# Allegro board RK3588S_Template_LP5D315P232SD10H2_42x42_2750MHz_1R2_V10_20220413YWQ.brd (continued)
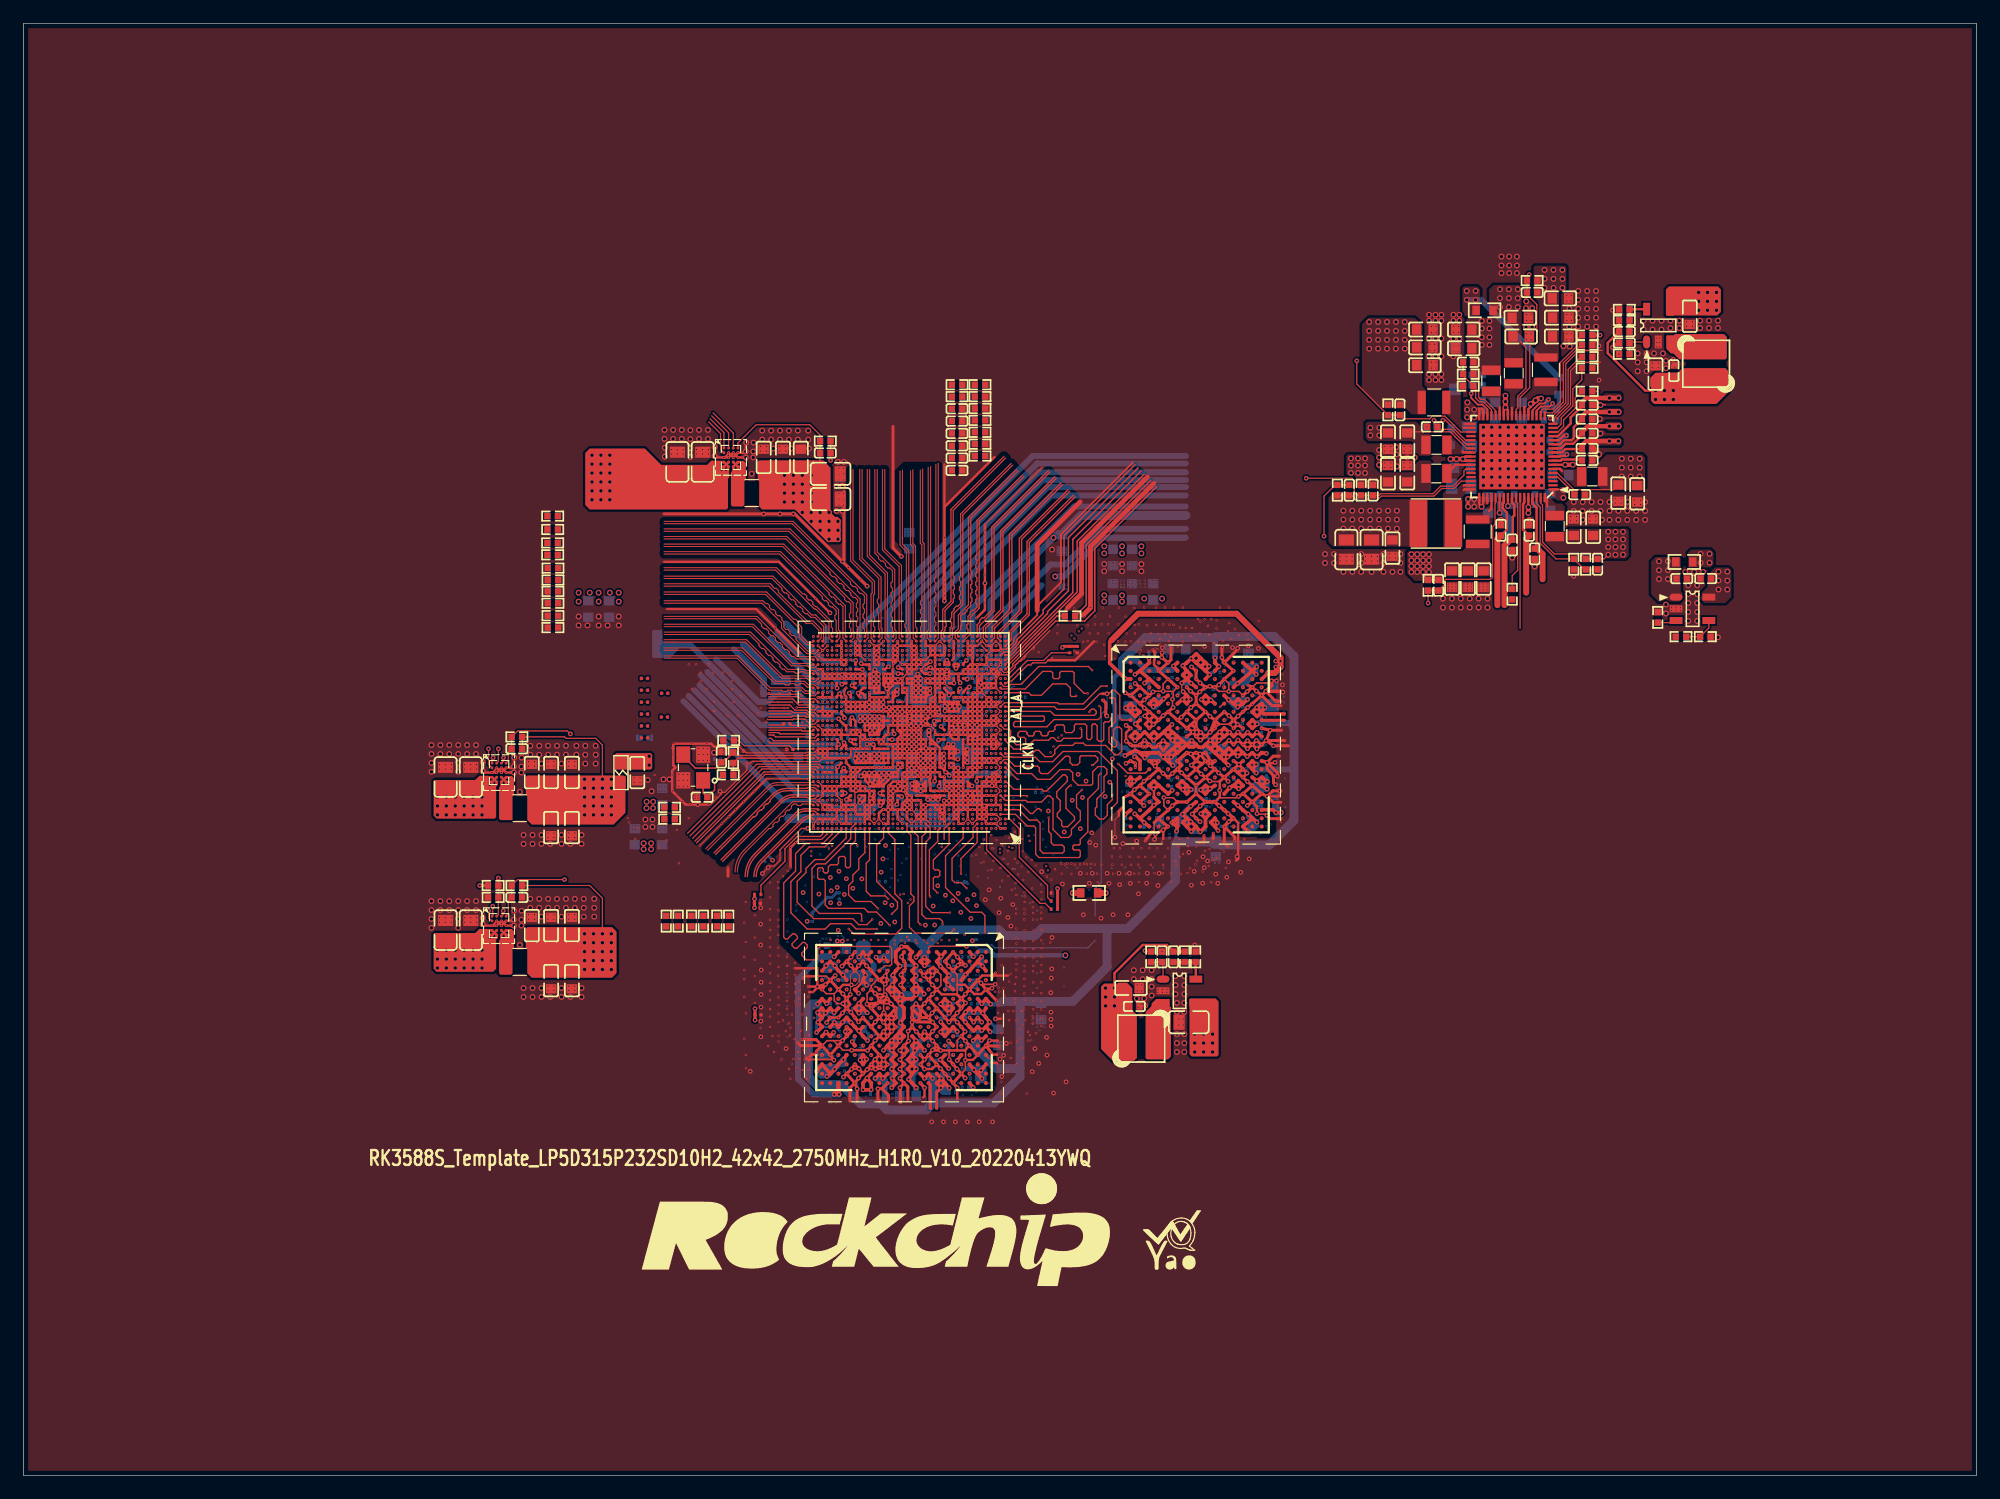
[diagram p0: board, top side]
## Nets (continued)
MIPI_CPHY0_RX_TRIO0_B: U1000.BA38(MIPI_DPHY0_RX_D0P/MIPI_CPHY0_RX)
MIPI_CPHY0_RX_TRIO0_C: U1000.AY40(MIPI_DPHY0_RX_D1N/MIPI_CPHY0_RX)
MIPI_CPHY0_RX_TRIO1_A: U1000.BA40(MIPI_DPHY0_RX_D1P/MIPI_CPHY0_RX)
MIPI_CPHY0_RX_TRIO1_B: U1000.BA41(MIPI_DPHY0_RX_CLKN/MIPI_CPHY0_R)
MIPI_CPHY0_RX_TRIO1_C: U1000.BB41(MIPI_DPHY0_RX_CLKP/MIPI_CPHY0_R)
MIPI_CPHY0_RX_TRIO2_A: U1000.BA42(MIPI_DPHY0_RX_D2N/MIPI_CPHY0_RX)
MIPI_CPHY0_RX_TRIO2_B: U1000.AY42(MIPI_DPHY0_RX_D2P/MIPI_CPHY0_RX)
MIPI_CPHY0_RX_TRIO2_C: U1000.AW42(MIPI_DPHY0_RX_D3N/MIPI_CPHY0_RX)
MIPI_CPHY0_TX_TRIO0_A: U1000.BA31(MIPI_DPHY0_TX_D0N/MIPI_CPHY0_TX)
MIPI_CPHY0_TX_TRIO0_B: U1000.BB31(MIPI_DPHY0_TX_D0P/MIPI_CPHY0_TX)
MIPI_CPHY0_TX_TRIO0_C: U1000.BB32(MIPI_DPHY0_TX_D1N/MIPI_CPHY0_TX)
MIPI_CPHY0_TX_TRIO1_A: U1000.BA32(MIPI_DPHY0_TX_D1P/MIPI_CPHY0_TX)
MIPI_CPHY0_TX_TRIO1_B: U1000.BA34(MIPI_DPHY0_TX_CLKN/MIPI_CPHY0_T)
MIPI_CPHY0_TX_TRIO1_C: U1000.BB34(MIPI_DPHY0_TX_CLKP/MIPI_CPHY0_T)
MIPI_CPHY0_TX_TRIO2_A: U1000.BB35(MIPI_DPHY0_TX_D2N/MIPI_CPHY0_TX)
MIPI_CPHY0_TX_TRIO2_B: U1000.BA35(MIPI_DPHY0_TX_D2P/MIPI_CPHY0_TX)
MIPI_CPHY0_TX_TRIO2_C: U1000.BA37(MIPI_DPHY0_TX_D3N/MIPI_CPHY0_TX)
MIPI_CPHY1_RX_TRIO0_A: U1000.BB23(MIPI_DPHY1_RX_D0N/MIPI_CPHY1_RX)
MIPI_CPHY1_RX_TRIO0_B: U1000.BA23(MIPI_DPHY1_RX_D0P/MIPI_CPHY1_RX)
MIPI_CPHY1_RX_TRIO0_C: U1000.BA25(MIPI_DPHY1_RX_D1N/MIPI_CPHY1_RX)
MIPI_CPHY1_RX_TRIO1_A: U1000.BB25(MIPI_DPHY1_RX_D1P/MIPI_CPHY1_RX)
MIPI_CPHY1_RX_TRIO1_B: U1000.BB26(MIPI_DPHY1_RX_CLKN/MIPI_CPHY1_R)
MIPI_CPHY1_RX_TRIO1_C: U1000.BA26(MIPI_DPHY1_RX_CLKP/MIPI_CPHY1_R)
MIPI_CPHY1_RX_TRIO2_A: U1000.BA28(MIPI_DPHY1_RX_D2N/MIPI_CPHY1_RX)
MIPI_CPHY1_RX_TRIO2_B: U1000.BB28(MIPI_DPHY1_RX_D2P/MIPI_CPHY1_RX)
MIPI_CPHY1_RX_TRIO2_C: U1000.BB29(MIPI_DPHY1_RX_D3N/MIPI_CPHY1_RX)
MIPI_CSI0_RX_CLK0N: U1000.AN41(MIPI_CSI0_CLK0N)
MIPI_CSI0_RX_CLK0P: U1000.AN42(MIPI_CSI0_CLK0P)
MIPI_CSI0_RX_CLK1N: U1000.AU42(MIPI_CSI0_CLK1N)
MIPI_CSI0_RX_CLK1P: U1000.AU41(MIPI_CSI0_CLK1P)
MIPI_CSI0_RX_D0N: U1000.AL41(MIPI_CSI0_D0N)
MIPI_CSI0_RX_D0P: U1000.AL42(MIPI_CSI0_D0P)
MIPI_CSI0_RX_D1N: U1000.AK42(MIPI_CSI0_D1N)
MIPI_CSI0_RX_D1P: U1000.AK41(MIPI_CSI0_D1P)
MIPI_CSI0_RX_D2N: U1000.AT42(MIPI_CSI0_D2N)
MIPI_CSI0_RX_D2P: U1000.AT41(MIPI_CSI0_D2P)
MIPI_CSI0_RX_D3N: U1000.AP41(MIPI_CSI0_D3N)
MIPI_CSI0_RX_D3P: U1000.AP42(MIPI_CSI0_D3P)
MIPI_D/C_PHY0_VREG: C1604.1 U1000.AT33(MIPI_D/C_PHY0_VREG)
MIPI_D/C_PHY1_VREG: C1612.1 U1000.AT27(MIPI_D/C_PHY1_VREG)
MIPI_DPHY0_RX_D3P: U1000.AW41(MIPI_DPHY0_RX_D3P/NO_USE)
MIPI_DPHY0_TX_D3P: U1000.BB37(MIPI_DPHY0_TX_D3P/NO_USE)
MIPI_DPHY1_RX_D3P: U1000.BA29(MIPI_DPHY1_RX_D3P/NO_USE)
MIPI_DPHY1_TX_CLKN: U1000.BA19(MIPI_DPHY1_TX_CLKN/MIPI_CPHY1_T)
MIPI_DPHY1_TX_CLKP: U1000.BB19(MIPI_DPHY1_TX_CLKP/MIPI_CPHY1_T)
MIPI_DPHY1_TX_D0N: U1000.BA16(MIPI_DPHY1_TX_D0N/MIPI_CPHY1_TX)
MIPI_DPHY1_TX_D0P: U1000.BB16(MIPI_DPHY1_TX_D0P/MIPI_CPHY1_TX)
MIPI_DPHY1_TX_D1N: U1000.BB17(MIPI_DPHY1_TX_D1N/MIPI_CPHY1_TX)
MIPI_DPHY1_TX_D1P: U1000.BA17(MIPI_DPHY1_TX_D1P/MIPI_CPHY1_TX)
MIPI_DPHY1_TX_D2N: U1000.BB20(MIPI_DPHY1_TX_D2N/MIPI_CPHY1_TX)
MIPI_DPHY1_TX_D2P: U1000.BA20(MIPI_DPHY1_TX_D2P/MIPI_CPHY1_TX)
MIPI_DPHY1_TX_D3N: U1000.BA22(MIPI_DPHY1_TX_D3N/MIPI_CPHY1_TX)
MIPI_DPHY1_TX_D3P: U1000.BB22(MIPI_DPHY1_TX_D3P/NO_USE)
MIPI_MCLK_SL: U1000.AV39(GPIO3_B1_D)
MIPI_TE0: U1000.AV40(GPIO3_C2_D)
OTG0_REXT: R1404.1 U1000.AU7(TYPEC0_USB20_OTG0_REXT)
PCIE20_0_REFCLKN: U1000.K41(PCIE20_0_REFCLKN)
PCIE20_0_REFCLKP: U1000.L42(PCIE20_0_REFCLKP)
PCIE20_0_RXN: U1000.J41(PCIE20_0_RXN/SATA30_0_RXN)
PCIE20_0_RXP: U1000.J42(PCIE20_0_RXP/SATA30_0_RXP)
PCIE20_0_TXN: U1000.H42(PCIE20_0_TXN/SATA30_0_TXN)
PCIE20_0_TXP: U1000.H41(PCIE20_0_TXP/SATA30_0_TXP)
PCIE20_2_REFCLKN: U1000.F42(PCIE20_2_REFCLKN)
PCIE20_2_REFCLKP: U1000.F41(PCIE20_2_REFCLKP)
PCIE20X1_2_CLKREQN_M0: U1000.AU30(GPIO3_C7_U)
PCIE20X1_2_PERSTN_M0: U1000.AY27(GPIO3_D1_D)
PCIE20X1_2_WAKEN_M0: R1930.2
PCIE20X1_2_WAKEN_M0/PWM8_M2: R1930.1 R1931.1 U1000.AW31(GPIO3_D0_U)
PDM0_CLK0_M0: U1000.M41(GPIO1_C6_D)
PDM0_CLK1_M0: U1000.U35(GPIO1_C4_D)
PDM0_SDI0: U1000.P38(GPIO1_D5_D)
PDM0_SDI2_M0: U1000.P40(GPIO1_D2_D)
PHONE_CTL: U1000.AW19(GPIO4_A4_D)
PMIC_EXT_EN_OUT: R2305.1 U2200.39((M\/S)EXT_EN)
PMIC_FB6: C2216.2 R2218.2 R2227.1 U2200.31(FB6)
PMIC_FB9: C2229.2 R2236.2 R2241.1 U2200.66(FB9)
PMIC_INT_L: R2261.2 U1000.W42(GPIO0_A7_U) U2200.19(INT)
PMIC_PWR_CTRL2: R2242.2 U2200.61(PWRCTRL2)
PMIC_PWR_CTRL3: R2290.2 U2200.16((PWRCTRL3)SO)
PMIC_RESET_L: C1110.1 C2262.1 R1104.1 R2263.2 U1000.V42(NPOR) U2200.40(RESETB)
PMIC_SPI_CLK: R1115.2 U2200.17((SCL)CLK)
PMIC_SPI_CS: R2258.1 U1000.W40(GPIO0_B1_Z) U2200.18((IIC/S\P\I\)CS)
PMIC_SPI_MOSI: R1116.2 U1000.Y38(GPIO0_B3_Z) U2200.15((SDA)MOSI)
PMIC_SW1: L2201.1 U2200.50(SW1_1) U2200.51(SW1_2)
PMIC_SW2: L2203.1 U2200.35(SW2_1) U2200.36(SW2_2)
PMIC_SW3: L2205.1 U2200.55(SW3)
PMIC_SW4: L2207.1 U2200.23(SW4)
PMIC_SW5: L2200.2 U2200.45(SW5)
PMIC_SW6: L2202.2 U2200.29(SW6)
PMIC_SW7: L2209.1 U2200.42(SW7)
PMIC_SW8: L2206.2 U2200.6(SW8)
PMIC_SW9: L2204.2 U2200.68(SW9)
PMIC_SW10: L2208.2 U2200.26(SW10)
PMIC_VDC: C2260.1 D2600.2(CATHODE) R2264.2 R2265.2 U2200.32(VDC)
PWM8_M2: R1931.2
PWRON_L: C2261.1 U2200.4(PWRON)
RK803_EN1_FLOOD: U1000.AW26(GPIO4_A7_D)
RK803_EN2_PRO: U1000.AV23(GPIO4_B3_U)
RTC_32K_IN: U1000.AD38(GPIO0_B2_U)
RTC_INT_L: U1000.AC37(GPIO0_B0_Z)
SARADC_VIN0_BOOT: C1500.1 R1501.2 R1502.1 U1000.AW15(SARADC_IN0_BOOT)
SARADC_VIN1_KEY/RECOVERY: C1501.1 R1500.1 U1000.AY13(SARADC_IN1)
SARADC_VIN3_HP_HOOK: C1503.1 U1000.AV13(SARADC_IN3)
SARADC_VIN4_BATT_TC_L: C1504.1 R1506.2 R1508.1 U1000.AY15(SARADC_IN4)
SARADC_VIN5: C1505.1 R1520.1 R1521.1 U1000.AW13(SARADC_IN5)
SARADC_VIN5_HW_ID: R1505.2 R1507.1 R1520.2
SD_CLK: R1320.1 U1000.AR1(GPIO4_D5_D)
SDIO_CLK_M1: R1918.1 U1000.AV38(GPIO3_A5_D)
SDIO_CLK_M1_WIFI: R1918.2
SDIO_CMD_M1_WIFI: U1000.AT39(GPIO3_A4_D)
SDIO_D0_M1_WIFI: U1000.AR38(GPIO3_A0_U)
SDIO_D1_M1_WIFI: U1000.AR37(GPIO3_A1_U)
SDIO_D2_M1_WIFI: U1000.AT38(GPIO3_A2_U)
SDIO_D3_M1_WIFI: U1000.AT40(GPIO3_A3_U)
SDMMC_CLK: R1320.2
SDMMC_CMD: U1000.AU1(GPIO4_D4_U)
SDMMC_D0: U1000.AV2(GPIO4_D0_U)
SDMMC_D1: U1000.AR2(GPIO4_D1_U)
SDMMC_D2: U1000.AV1(GPIO4_D2_U)
SDMMC_D3: U1000.AT1(GPIO4_D3_U)
SDMMC_DET_L: U1000.AC38(GPIO0_A4_U)
SDMMC_PWREN: U1000.AV27(GPIO4_B4_U)
SL_PWREN: U1000.AW39(GPIO3_C3_D)
SLEEP1_RESET1_DEVOFF1_VSEL1: U1000.W41(GPIO0_A2_D) U2200.62(PWRCTRL1)
SPI2_CLK_M2: R1115.1 U1000.Y39(GPIO0_A5_D)
SPI2_MOSI_M2: R1116.1 U1000.W39(GPIO0_A6_Z)
SPI4_MISO_M2_TP: U1000.G40(GPIO1_A0_D)
SPI4_MOSI_M2_TP: U1000.L40(GPIO1_A1_D)
SPK_CTL_H: U1000.AU15(GPIO4_A5_D)
TP_INT_L: U1000.D40(GPIO1_B5_U)
TP_RST_L: U1000.M39(GPIO1_B4_U)
TSADC_SHUT: R1104.2 U1000.AC39(GPIO0_A1_Z)
TYPEC0_DP0_REXT: R1400.1 U1000.AW11(TYPEC0_DP0_REXT)
TYPEC0_OTG_DM: U1000.AY10(TYPEC0_USB20_OTG_DM)
TYPEC0_OTG_DP: U1000.AY11(TYPEC0_USB20_OTG_DP)
TYPEC0_OTG_VBUSDET: U1000.AV10(TYPEC0_USB20_VBUSDET)
TYPEC0_SBU1: U1000.BA8(TYPEC0_SBU1/DP0_AUXP)
TYPEC0_SBU1_DC: U1000.AV19(GPIO4_A0_D)
TYPEC0_SBU2: U1000.BB8(TYPEC0_SBU2/DP0_AUXN)
TYPEC0_SBU2_DC: U1000.AW18(GPIO4_A1_D)
TYPEC0_SSRX1N: U1000.BA10(TYPEC0_SSRX1N/DP0_TX0N)
TYPEC0_SSRX1P: U1000.BB10(TYPEC0_SSRX1P/DP0_TX0P)
TYPEC0_SSRX2N: U1000.BA13(TYPEC0_SSRX2N/DP0_TX2N)
TYPEC0_SSRX2P: U1000.BB13(TYPEC0_SSRX2P/DP0_TX2P)
TYPEC0_SSTX1N: U1000.BA11(TYPEC0_SSTX1N/DP0_TX1N)
TYPEC0_SSTX1P: U1000.BB11(TYPEC0_SSTX1P/DP0_TX1P)
TYPEC0_SSTX2N: U1000.BA14(TYPEC0_SSTX2N/DP0_TX3N)
TYPEC0_SSTX2P: U1000.BB14(TYPEC0_SSTX2P/DP0_TX3P)
TYPEC0_USB20_OTG_ID: U1000.AW10(TYPEC0_USB20_OTG_ID)
UART2_RX_M0: U1000.AH40(GPIO0_B6_D)
UART2_TX_M0: U1000.AH39(GPIO0_B5_D)
UART9_CTSN_M2_BT: U1000.AY31(GPIO3_D3_D)
UART9_RTSN_M2_BT: U1000.AY30(GPIO3_D2_D)
UART9_RX_M2_BT: U1000.AV31(GPIO3_D4_D)
UART9_TX_M2_BT: U1000.AW30(GPIO3_D5_D)
USB20_HOST0_DM: U1000.AV6(USB20_HOST0_DM)
USB20_HOST0_DP: U1000.AW6(USB20_HOST0_DP)
USB20_HOST1_DM: U1000.AW7(USB20_HOST1_DM)
USB20_HOST1_DP: U1000.AV7(USB20_HOST1_DP)
USB30_2_SSRXN: U1000.C42(PCIE20_2_RXN/SATA30_2_RXN/USB30)
USB30_2_SSRXP: U1000.D42(PCIE20_2_RXP/SATA30_2_RXP/USB30)
USB30_2_SSTXN: U1000.D41(PCIE20_2_TXN/SATA30_2_TXN/USB30)
USB30_2_SSTXP: U1000.E41(PCIE20_2_TXP/SATA30_2_TXP/USB30)
USB_AVDD_1V8: C1406.1 R1401.1 R1402.1 U1000.AT13(USB20_AVDD_1V8_1) U1000.AT14(USB20_AVDD_1V8_2)
USB_HOST_PWREN_H: U1000.AU23(GPIO4_B5_D)
VSEL2: U1000.AD39(GPIO0_A3_D) U2300.A1(VSEL)
VSEL3: U1000.AM38(GPIO0_C1_D) U2302.A1(VSEL)
VSEL4: R2290.1 U1000.AG36(GPIO0_C2_D)
VSEL5: R2242.1 U1000.AH38(GPIO0_C3_D)
VSEL6: U1000.AG42(GPIO0_D6_D) U2301.A1(VSEL)
WIFI_REG_ON_H: U1000.AL40(GPIO0_C7_D)
WIFI_WAKE_HOST_H: U1000.W38(GPIO0_A0_D)
XIN: C1112.1 R1102.2 U1000.T41(XIN_24M) Y1100.3(X2)
XOUT: R1100.2 R1102.1 U1000.T42(XOUT_24M)
N30600922: R1202.1 U1000.A5(DDR_CH1_ZQ_C)
N30600936: R1200.1 U1000.AM1(DDR_CH0_ZQ_A)
N30601110: R1201.1 U1000.C1(DDR_CH0_ZQ_B)
N30601240: R1203.1 U1000.A40(DDR_CH1_ZQ_D)
N30910269: C2265.1 U2200.8(NLDO5)
N30961579: L2302.1 U2302.D3(SW_1) U2302.D4(SW_2) U2302.E3(SW_3) U2302.E4(SW_4)
N30962042: C2329.1 R2305.2 U2303.1(EN)
N30962062: C2326.2 R2306.2 R2307.1 U2303.5(FB/OUT)
N30962090: L2303.1 U2303.3(LX)
N30962978: L2301.1 U2301.D3(SW_1) U2301.D4(SW_2) U2301.E3(SW_3) U2301.E4(SW_4)
N30963105: L2300.1 U2300.D3(SW_1) U2300.D4(SW_2) U2300.E3(SW_3) U2300.E4(SW_4)
N31111434: R1305.1 U1000.AB42(GPIO2_D4_U)
N31111436: R1330.1 U1000.AD42(GPIO2_D5_U)
N31111592: R1309.1 U1000.AB41(GPIO2_A1_D)
N31277521: C1291.1 R3950.2 U3902.1(EN)
N31277531: C1292.2 R3951.2 R3952.1 U3902.5(FB/OUT)
N31277533: L3900.1 U3902.3(LX)
N32124849: R2309.2 R2310.1 U2304.4(EN)
N32124977: R2311.1 U2304.3(OCB)
N64919975: C1111.1 R1100.1 Y1100.1(X1)
N65305579: R3900.1 U3900.H15(ZQ_A)
N65308448: R3901.1 U3901.H15(ZQ_A)

Pads without a net: U1000 AH37 AK9 B13 B25 P1; U2200 2 3 38 47 48; U3900 A1 A2 A14 A15 AA1 AA15 AB1 AB2 AB14 AB15 B1 B15 J4 J6 P1 P15; U3901 A1 A2 A14 A15 AA1 AA15 AB1 AB2 AB14 AB15 B1 B15 J4 J6 P1 P15

## Via types
v1: diameter 0.4, hole 0.2, TOP to BOTTOM, 798 vias
v2: diameter 0.5, hole 0.3, TOP to BOTTOM, 800 vias
v3: diameter 0.2, hole 0.1, TOP to L3-S1, 1766 vias
v4: diameter 0.4, hole 0.2, L3-S1 to L8-S3, 626 vias
v5: diameter 0.2, hole 0.1, L8-S3 to BOTTOM, 664 vias
v6: diameter 0.2, hole 0.1, L8-S3 to L9-GND3, 574 vias
v7: diameter 0.2, hole 0.1, TOP to L2-GND1, 581 vias
v8: diameter 0.2, hole 0.1, L2-GND1 to L3-S1, 870 vias
v9: diameter 0.2, hole 0.1, L7-GND2 to BOTTOM, 4 vias
v10: diameter 0.2, hole 0.1, L9-GND3 to BOTTOM, 665 vias

## Routing (per net, layer and track width the routed paths; a pad name or vN(x,y) marks a point on that pad's centre or on a via; arc(x,y) is an arc through that point)
AVDD1V8_DDR_PLL_S0: length 15.1
  TOP w0.203: v1(78.19,62.85) 78.34,62.85 78.39,62.9 U1000.Y14 ; U1000.L15 78.29,59.01 78.23,58.95 v1(78.23,58.9)
  L8-S3 w0.203: v1(78.19,62.85) 78.19,62.86 78.7,63.37 79.44,63.37 79.84,62.97 79.84,62.46 80.25,62.05 80.25,61.51 80.24,61.51 80.24,60.77 80.26,60.75 80.26,60.19 79.38,59.31 78.64,59.31 v1(78.23,58.9)
  BOTTOM w0.279: C1209.1 77.95,62.45 78.19,62.69 v1(78.19,62.85)
  BOTTOM w0.305: v1(78.23,58.9) 78.39,58.75 C1214.1
  BOTTOM w0.406: v1(78.23,58.9) 78.64,59.31 80.39,59.31 81.1,60.01 C2290.1 R2274.2
GND: length 4593.3
  TOP w0.064: v3(89.79,70.48) 89.97,70.3 C1280.2
  TOP w0.076: v1(93.26,54.54) 93.26,56.05 93.59,56.38 ; v1(70.74,41.93) 70.66,42 70.66,42.77 v7(71.04,43.14) 71.42,42.75 71.42,42.47 71.42,42.47 71.42,42.23 71.07,41.88 70.79,41.88 v1(70.74,41.93) ; v1(70.74,41.93) 70.66,41.85 70.66,41.42 70.64,41.39 70.64,41.12 v1(70.65,41.11)
  TOP w0.102: 65.58,66.76 66.37,66.76 v7(66.5,66.63) ; 65.58,66.76 v7(65.48,66.85) 65.39,66.76 ; 65.58,66.76 65.39,66.76 ; 64.5,66.76 v7(64.59,66.85) 64.69,66.76 ; 64.5,66.76 63.8,66.76 ; 64.5,66.76 64.69,66.76 ; v7(83.09,62.1) v7(83.49,62.5) U1000.Y3 ; 61.56,61.89 61.16,62.28 v3(59.45,62.28) ; v3(82.29,66.5) 82.29,66.51 v3(81.89,66.9) ; v7(67.89,64.1) v7(68.29,63.7) ; v7(82.69,68.9) U1000.AT5 ; U1000.B3 v7(83.49,55.3) ; 84.73,69.22 84.73,69.24 84.96,69.47 ; 84.73,69.22 84.96,69.44 84.96,69.47 ; 84.73,69.22 84.73,69.06 84.09,68.41 83.58,68.41 v7(83.5,68.5) 83.49,68.5 v7(83.09,68.9) v3(83.49,69.3) ; 71.12,58.5 71.04,58.43 71.04,57.35 v3(71.09,57.3) ; v3(74.69,69.7) v3(75.09,69.3) ; 134.87,96.14 132.93,96.14 131.78,94.99 131.78,91.65 130.45,90.33 v1(130.45,90.32) ; v7(83.49,59.3) v7(83.49,59.7) U1000.N3 v7(83.49,60.5) v7(83.09,60.9) U1000.T2 ; 84.96,69.47 85.09,69.6 ; 65.39,66.76 64.69,66.76 ; v7(73.09,70.9) v3(73.49,71.3) ; 63.69,65.58 v3(64.06,65.58) v7(65.35,65.58) ; 85.6,70.1 85.09,69.6 ; 85.6,70.1 85.6,69.98 v7(85.47,69.85) 85.22,69.6 85.09,69.6 ; 85.6,70.1 86.36,70.87 ; v7(82.69,70.9) v7(83.09,71.3) v7(83.49,70.9) ; v7(83.49,66.1) v7(83.09,65.7) v7(83.49,65.3) 83.11,64.92 v3(83.08,64.92) 83.08,64.91 v7(83.49,64.5) v7(83.09,64.1) v7(83.49,63.7) v3(83.09,63.3) ; v3(77.89,63.7) v3(77.49,64.1) ; v3(67.89,59.3) v7(68.29,58.9) ; v3(75.89,56.9) v3(76.29,56.5) 76.29,56.42 ; v7(65.64,66.09) 63.69,66.09 ; 85.81,72.72 84.63,71.54 84.63,71.38 84.6,71.36 84.6,71.22 83.99,70.61 83.59,70.61 v7(83.49,70.51) ; v3(63.32,59.36) 63.49,59.53 67.01,59.53 v3(67.06,59.48) ; U1000.AM41 v7(68.29,68.1) ; v1(73.63,41.99) 73.63,41.97 73.51,41.84 73.51,41.21 v1(73.63,41.09) ; v7(68.29,69.7) v7(67.89,70.1) v7(68.29,70.5) ; v3(63.45,64.41) 63.47,64.39 63.5,64.39 63.53,64.36 ; v7(69.89,55.7) U1000.C37 ; v3(76.29,56.1) v7(75.89,55.7) v7(75.49,56.1) ; v3(69.89,57.7) v3(69.49,58.1) ; v3(83.09,68.1) U1000.AP2 ; v3(68.29,58.1) v7(67.89,57.7) v7(68.29,57.3) ; U1000.C24 v7(75.09,55.7) ; v7(73.49,55.7) v3(73.09,56.1) v7(72.69,55.7) v7(72.29,56.1) ; 63.8,66.76 v3(63.7,66.85) 63.61,66.76 63.8,66.76 ; v4(87.56,69.66) 87.34,69.44 86.23,69.44 v7(86.06,69.27) 85.8,69.27 v7(85.04,68.5) v7(84.4,67.87) ; v7(66.78,63.85) 66.74,63.9 63.69,63.9 ; v7(68.29,70.5) v7(68.69,70.9) ; v7(68.29,70.5) v7(67.89,70.9) ; v7(68.29,61.3) 68,61.01 64.47,61.01 64.44,61.04 v3(64.11,61.04) v3(63.35,61.04) 62.28,61.04 62.13,60.88 v3(61.8,60.88) 61.8,60.24 59.94,58.38 59.6,58.38 59.61,58.37 59.61,58.23 58.71,57.33 v3(58.5,57.33) ; v7(83.09,67.3) v7(83.49,66.9) ; v3(65.97,54.09) 66.24,54.36 68.2,54.36 68.68,54.84 v7(68.68,54.86) ; 81.29,61.3 v3(81.2,61.21) 81.09,61.1 ; v7(77.09,69.7) 77.49,70.1 ; 86.36,70.87 87.69,72.2 ; 86.36,70.87 86.36,70.74 v7(86.23,70.61) ; v1(63.14,51.44) 63.77,52.07 64.13,52.07 64.64,52.58 64.64,53.47 66.47,55.3 v1(67.01,55.3) ; v3(75.49,58.1) 75.4,58.13 v1(75.18,58.57) ; v7(77.89,70.9) v3(78.29,71.3) v7(78.69,70.9) ; v3(61.47,61.82) 61.69,61.82 61.77,61.75 66.87,61.75 66.92,61.79 67.1,61.79 67.11,61.78 67.57,61.78 v7(67.89,62.1) ; U1000.K3 v3(83.49,58.5) v7(83.09,58.1) ; v7(65.53,65.1) 63.69,65.1 ; v3(131.06,90.25) 131.06,90.36 132.18,91.48 132.18,94.41 132.9,95.12 134.75,95.12 ; v7(83.09,56.5) v7(83.49,56.1) 83.1,55.71 v3(83.1,55.7) ; v3(72.29,71.3) v7(72.69,70.9) ; v7(80.29,55.7) v3(80.69,56.1) v7(81.09,55.7) v7(81.49,56.1) ; v3(67.49,55.7) U1000.C41 ; v3(75.09,68.1) v3(75.49,68.5) ; v3(82.69,70.5) v3(82.29,70.1) ; v3(78.69,67.7) 79.13,67.26 v3(79.22,67.26) ; v3(71.89,69.7) v3(71.49,70.1) ; v7(66.17,64.39) 66.13,64.36 ; v3(74.37,69.39) 74.29,69.31 v3(74.29,68.9) ; v3(60.27,56.31) 57.77,53.81 ; v7(81.49,70.9) U1000.BA6 v7(82.29,70.9) ; v7(77.49,55.7) v7(77.09,56.1)
  TOP w0.104: C2255.2 v2(134.75,91.47) ; v2(132.12,96.47) 132.04,96.54 C2237.2 ; v3(82.17,81.28) 87.06,86.17
  TOP w0.122: 89.22,74.17 89.09,74.04 89.03,74.04
  TOP w0.127: v1(96.52,66.97) 96.56,67.01 97.36,67.01 v1(97.38,67.03) ; U3901.AB11 68.66,37.16 69.21,37.16 ; 80.5,36.4 80.5,35.51 ; v1(105.4,56.56) 105.44,56.52 106.14,56.52 v1(106.25,56.41) ; v3(78.04,41.54) 78.38,41.89 78.38,42.79 v3(78.04,43.14) ; 96.6,55.79 96.6,54.92 v1(96.71,54.82) ; 102.22,57.98 102.29,57.91 103.59,57.91 103.71,58.03 v1(103.82,58.03) ; v1(72.08,40.28) 72.08,41.18 v7(72.44,41.54) 72.44,41.85 72.93,42.34 v7(73.14,42.34) ; v1(75.59,37.96) 75.59,37.16 v1(75.62,37.13) ; v3(79.44,43.14) 79.78,42.8 79.78,41.1 ; v3(68.24,41.54) 68.6,41.18 69.28,41.18 ; 102.22,59.33 102.2,59.31 101.41,59.31 v1(101.37,59.34) ; v1(102.98,67) 103.85,67 v7(104.2,66.66) ; v1(102.98,67) 102.98,67.68 v7(102.6,68.06) ; v1(102.98,67) 102.15,67 v3(101.8,67.36) ; v7(103.4,63.86) 103.06,64.2 102.14,64.2 v7(101.8,63.86) ; 79.76,36.33 79.78,36.35 79.78,37.18 v3(80.14,37.54) ; v7(68.94,42.34) 68.6,42.68 67.84,42.68 v3(67.82,42.66) ; v7(80.14,34.34) 80.48,34.68 80.48,35.48 v1(80.47,35.49) ; v7(97.8,56.86) 97.43,57.22 v1(97.43,57.93) 97.45,57.92 98.24,57.92 U3900.W6 ; 98.24,67 98.24,66.41 v1(98.18,66.34) 98.18,65.68 v1(98.23,65.63) ; 98.24,67 97.4,67 v1(97.38,67.03) ; 98.24,67 v7(98.6,67.36) ; v3(105,67.36) 105.36,67.72 106.44,67.72 v1(106.64,67.91) ; 69.21,37.16 v1(69.99,37.16) ; 69.21,37.16 69.64,36.74 U3901.Y11 70.03,36.35 v1(70.77,36.35) ; v1(97.38,67.03) 97.38,67.64 v7(97.8,68.06) ; v1(70.02,40.33) 69.53,40.33 69.28,40.58 69.28,41.18 ; 69.28,41.18 v7(69.64,41.54) ; 79.12,36.33 79.1,36.3 79.1,35.55 v1(79.1,35.54) ; v3(73.84,40.74) 73.5,40.4 73.5,39.59 v1(73.52,39.56)
  TOP w0.152: 86.61,73.91 86.61,73.53 85.81,72.72 ; v1(74.14,40.31) v3(73.01,40.38) ; v1(83.03,41.97) 81.93,41.97 v1(81.82,42.08) ; v1(69.25,35.5) 69.19,35.56 67.18,35.56 ; 94.79,86.56 88.65,80.41 88.65,76.33 86.61,74.3 ; 40.07,60.07 40.44,60.45 40.44,60.47 ; v3(63.32,59.36) v3(62.43,58.47) v3(61.54,57.58) v3(60.27,56.31) ; v1(72.08,34.69) v1(72.8,34.73) v1(73.49,34.76) ; 40.07,46.99 40.44,47.36 v3(40.44,47.39) ; v3(70.14,67.07) 70.14,66.73 70.29,66.58 v7(70.29,66.5) ; U2302.B2 60.25,87.34 59.9,87 ; v1(73.63,41.09) v1(72.77,41.2) ; U1000.V34 v3(70.69,61.45) 70.54,61.3 v3(70.29,61.3) ; v1(71.39,34.76) v1(70.75,34.73) ; v1(79.85,43.6) v1(80.49,43.59)